# Altium PCB MIRA220CSP.PcbDoc
Units mm, origin at the board's own origin, x right, y up, seen from the top; angles counter-clockwise.
Board outline 38 x 38 mm, 4 copper layers (Top Layer, Layer 2, Layer 3, Bottom Layer), stack 1.136 mm thick; 53 components, 50 nets, 372 pads, 149 vias.
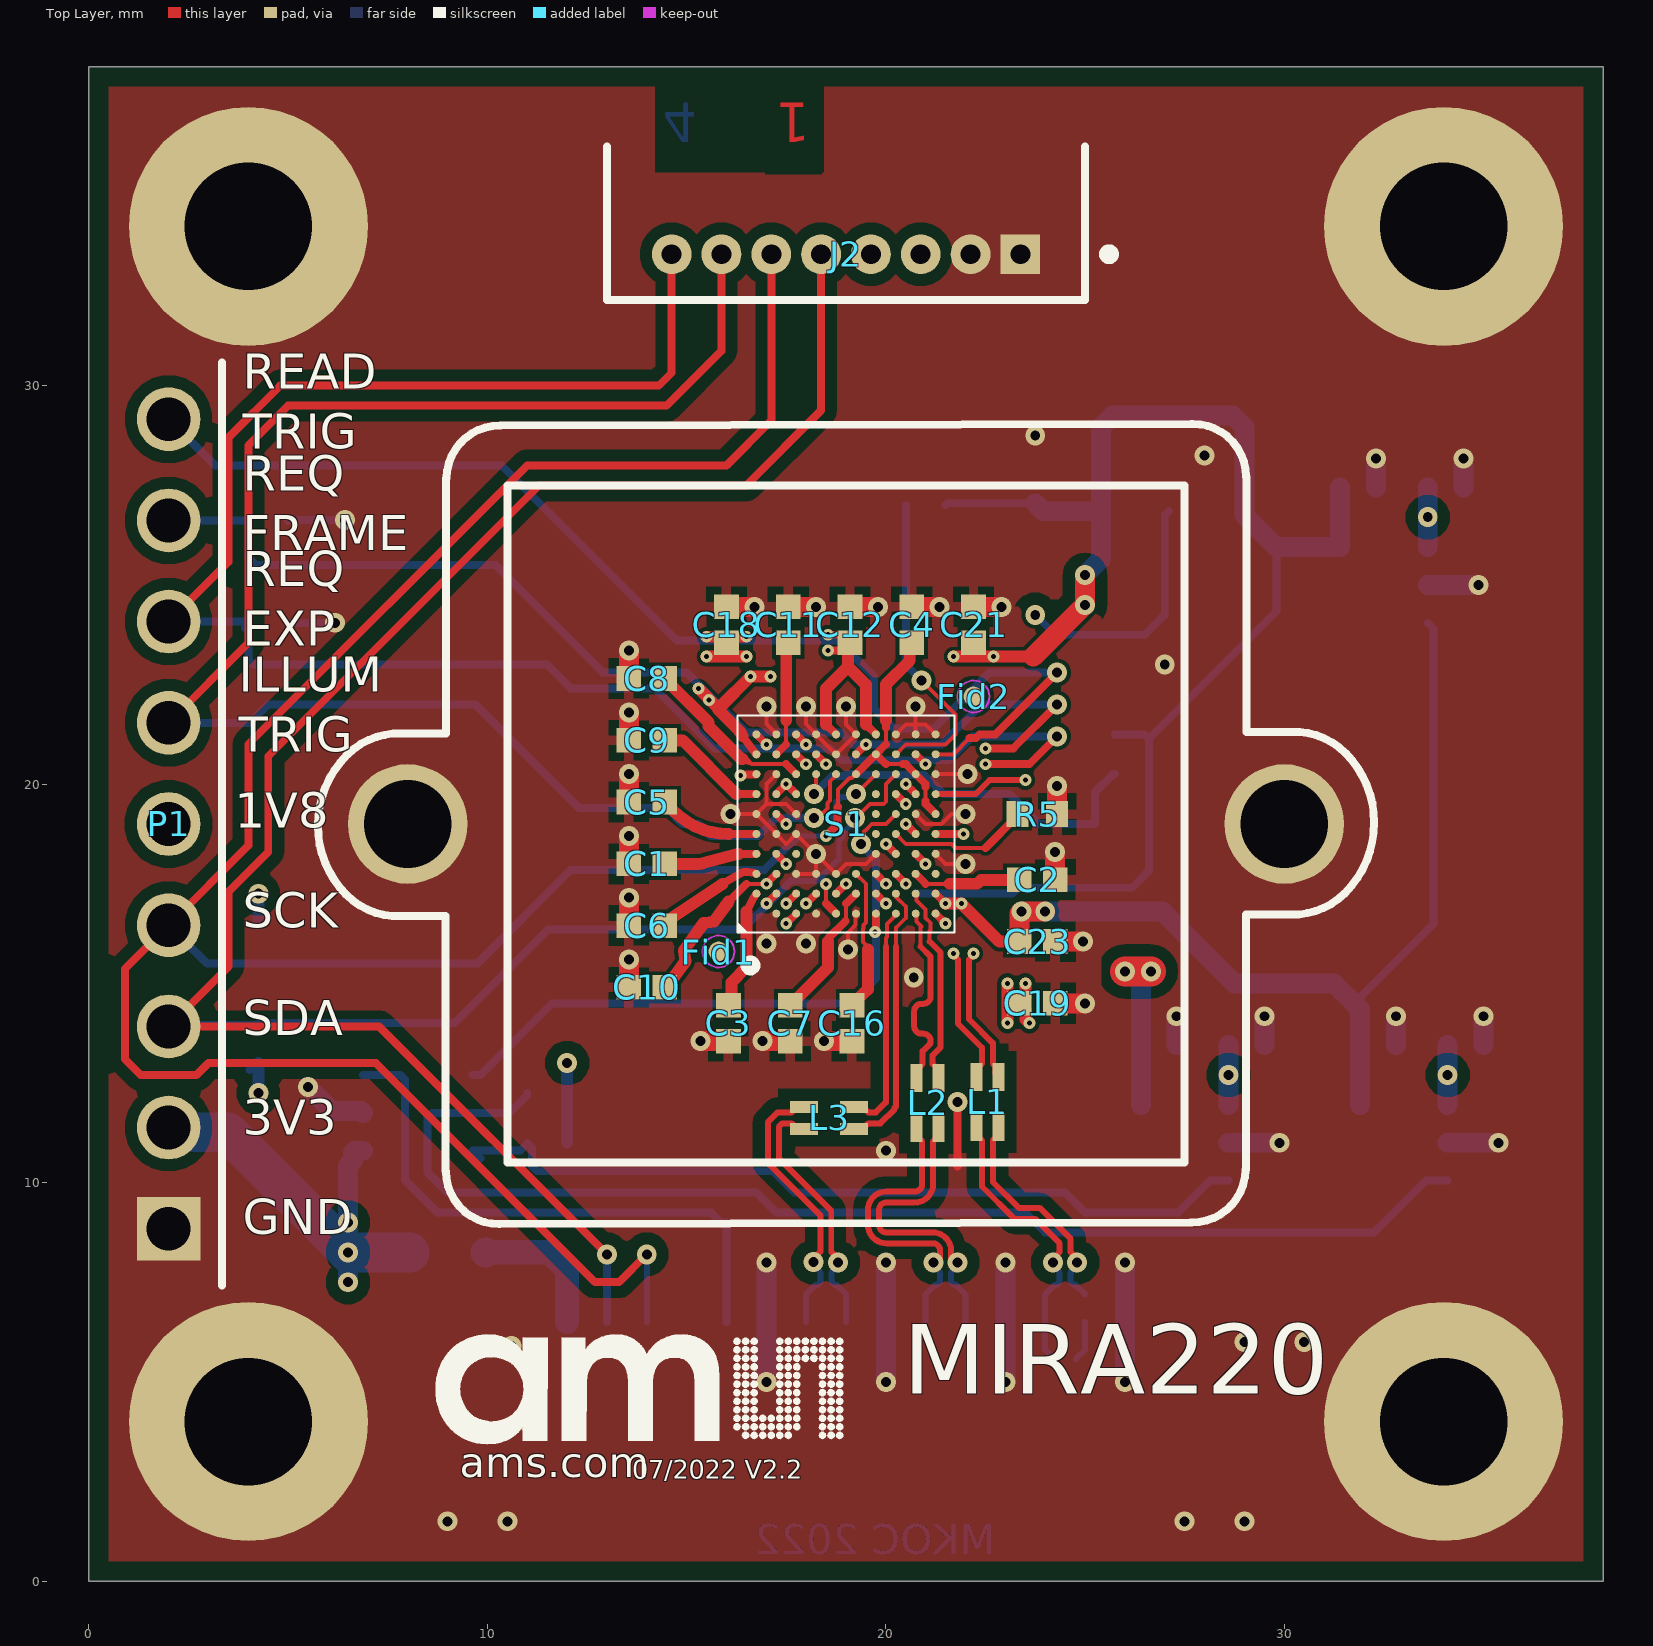
[diagram p0: Top Layer view]
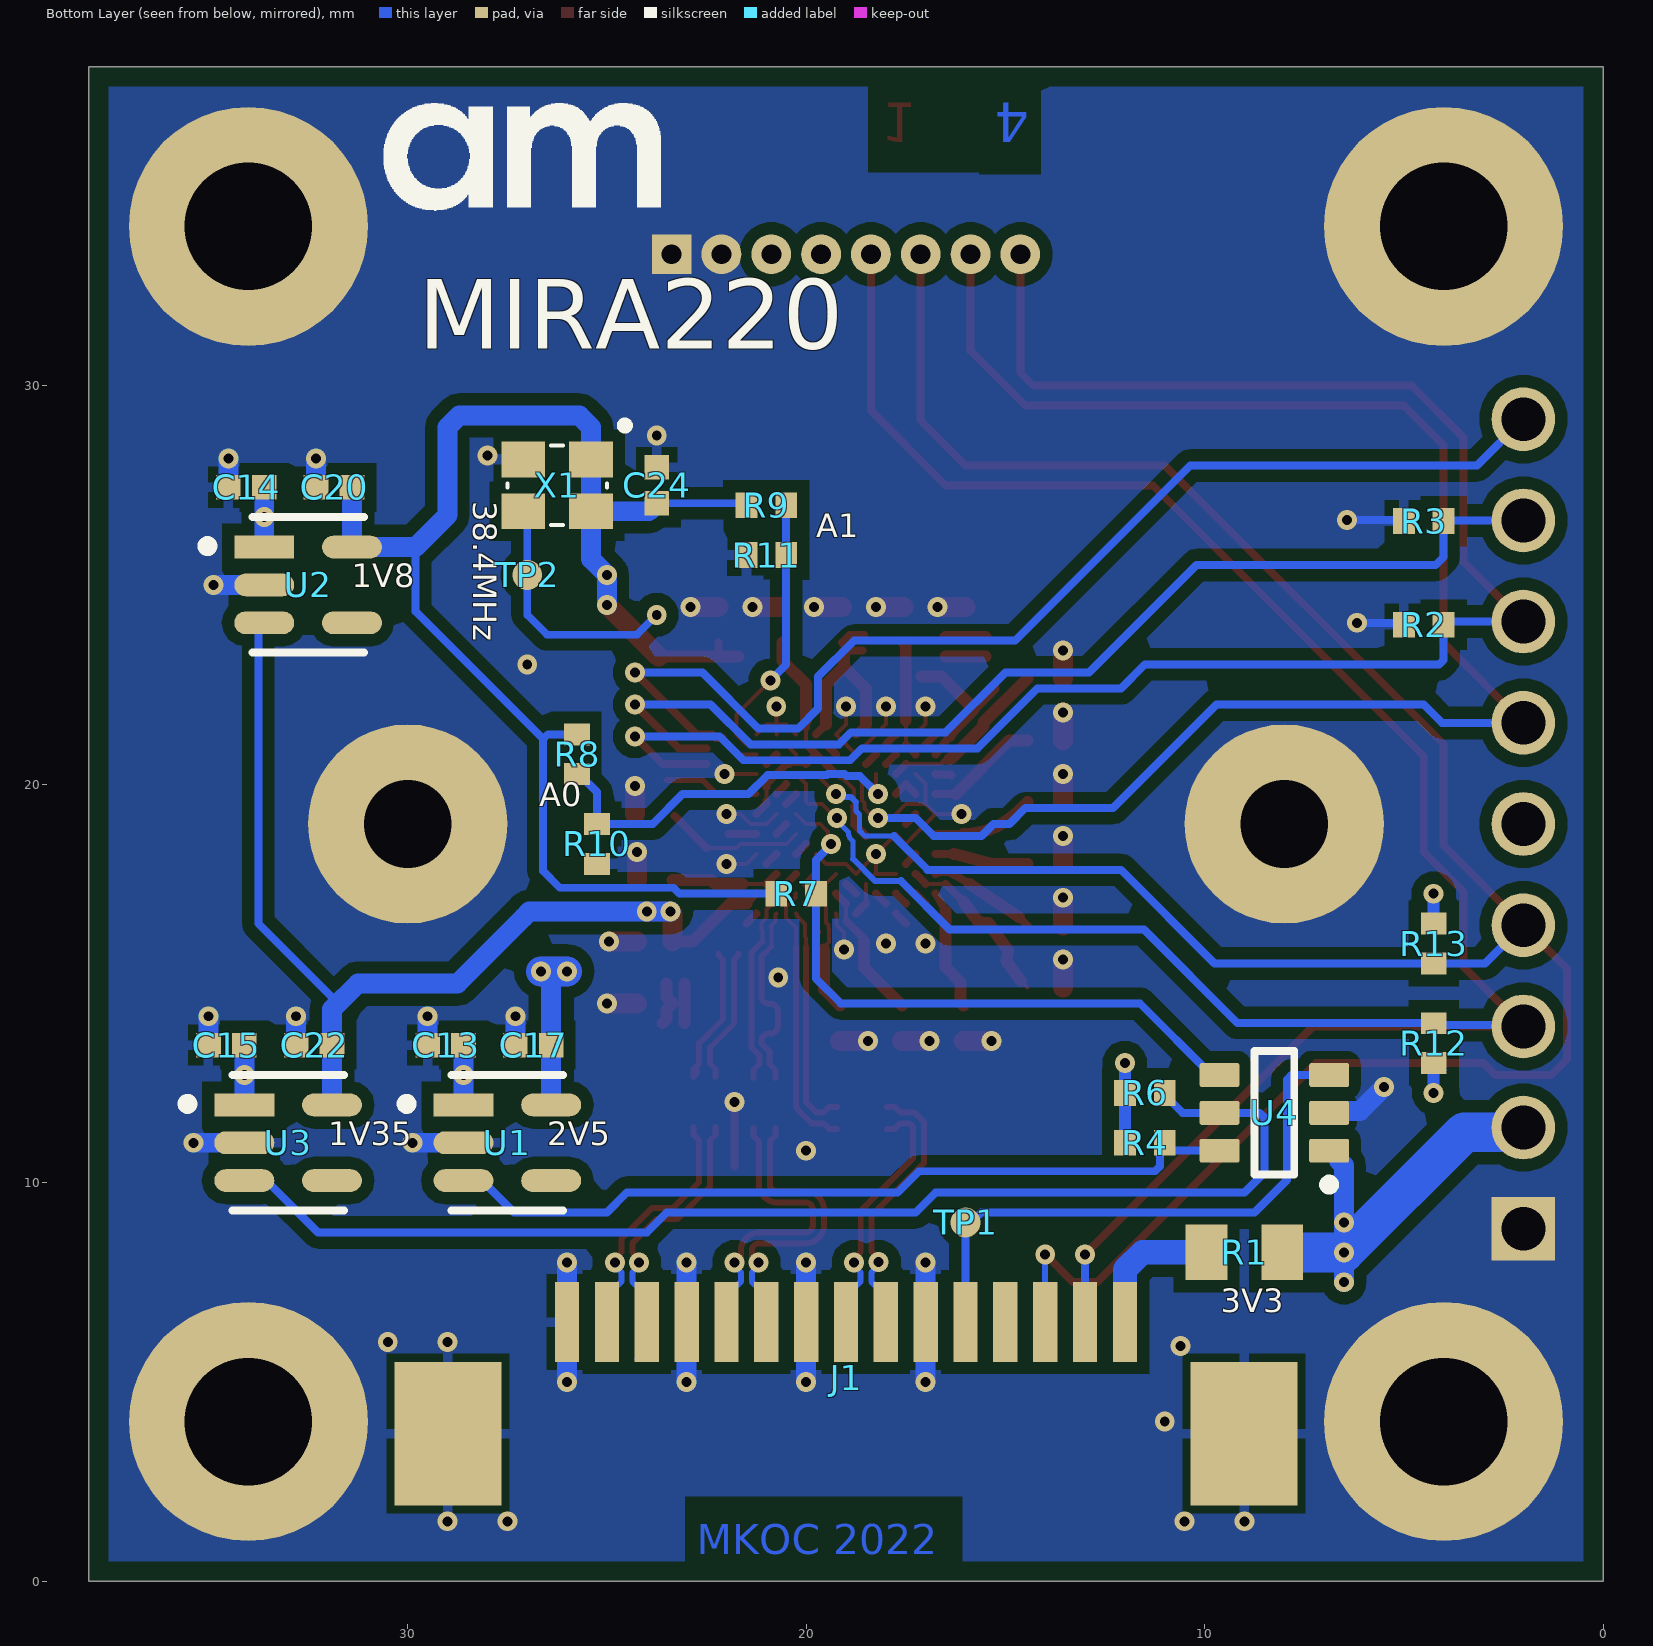
[diagram p1: Bottom Layer view, seen from below]
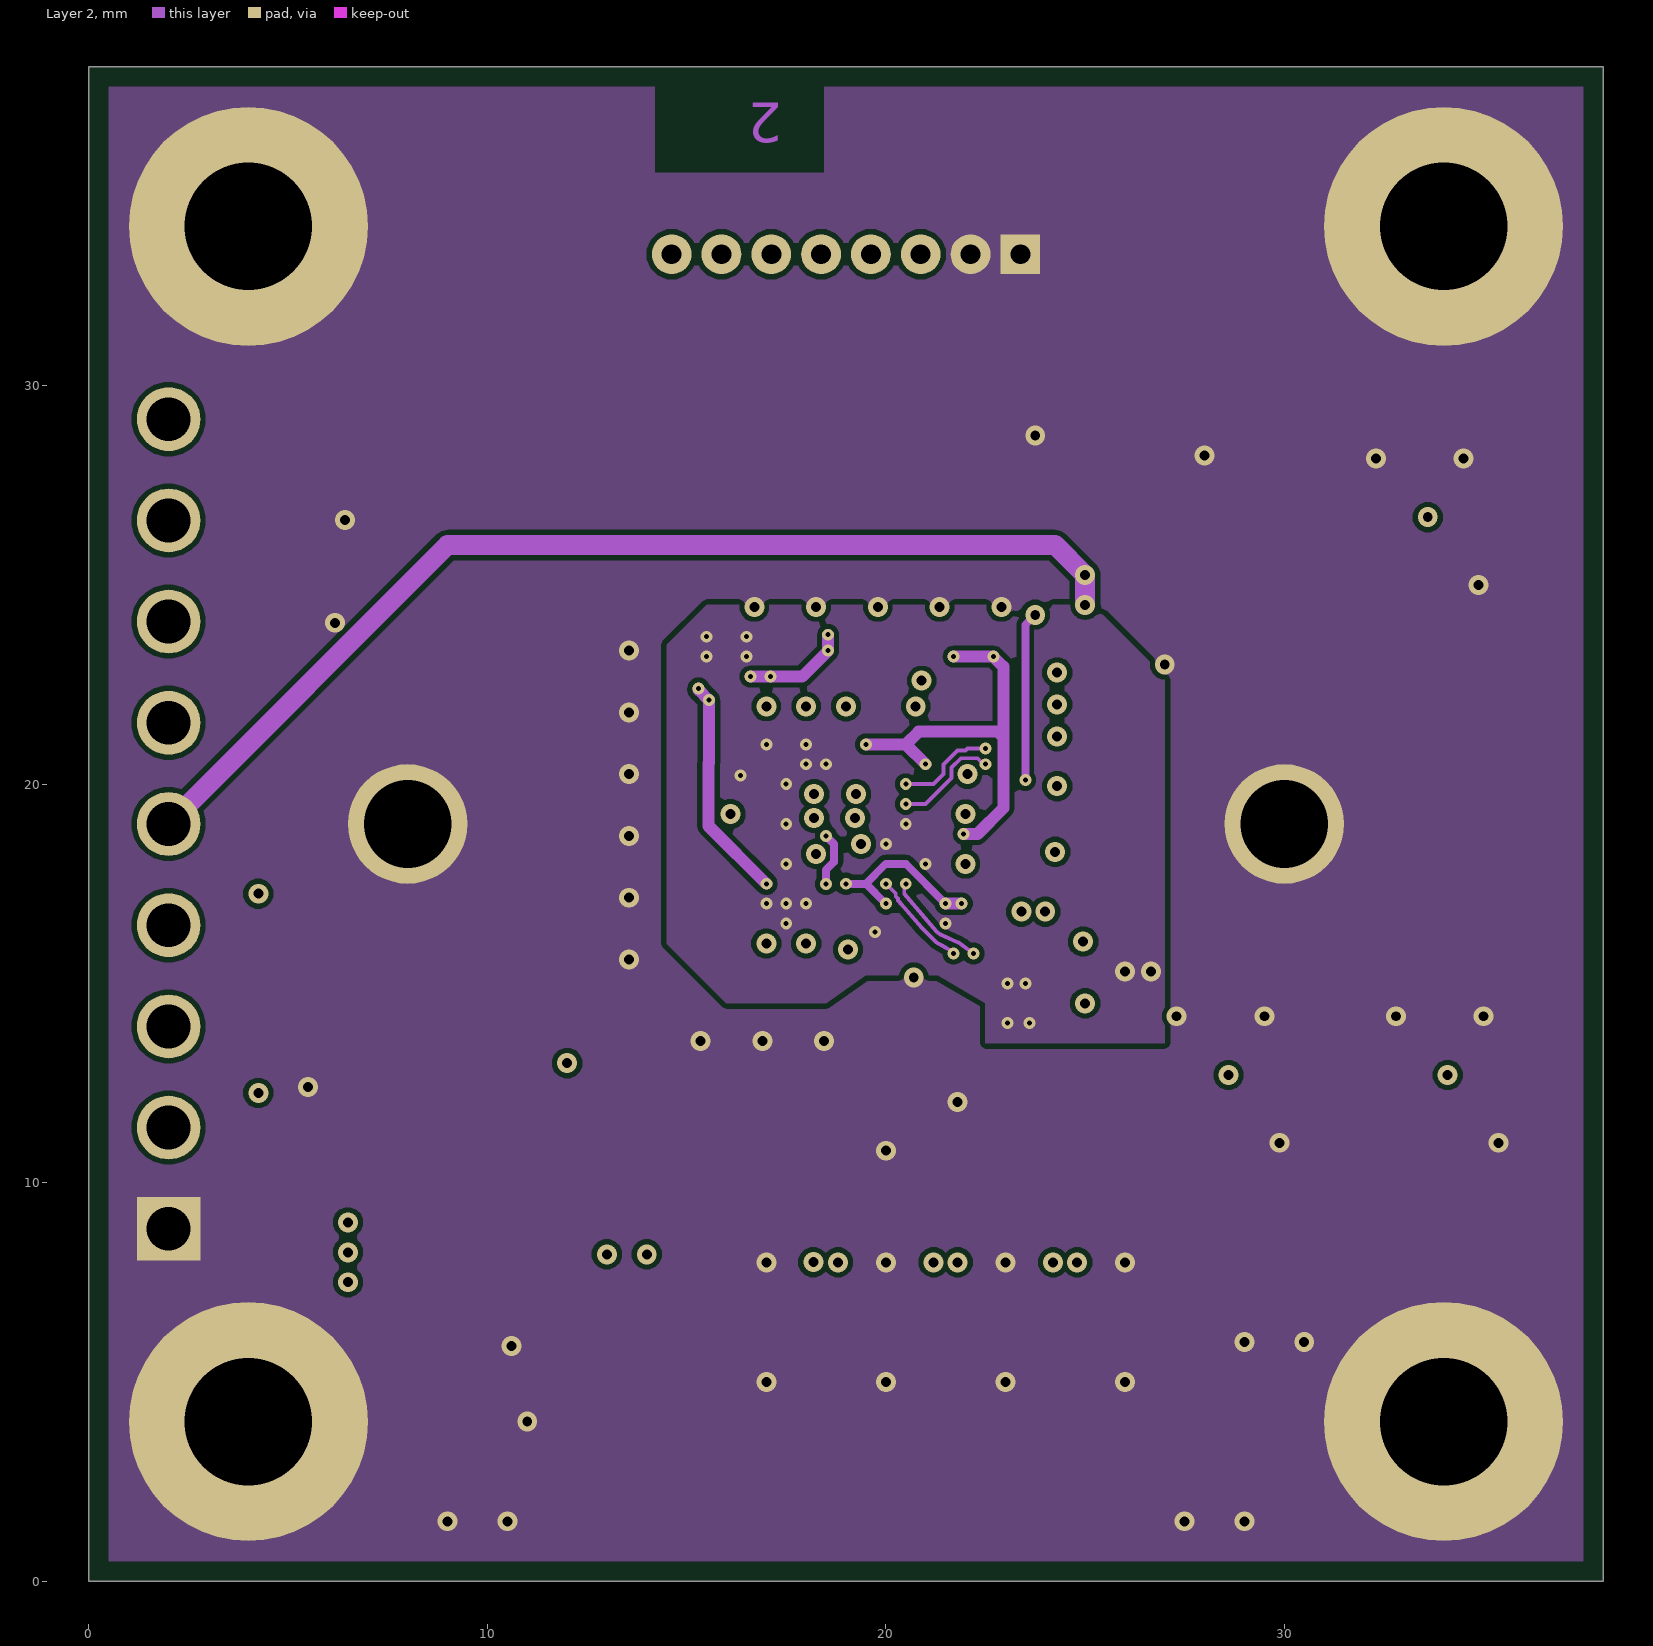
[diagram p2: Layer 2]
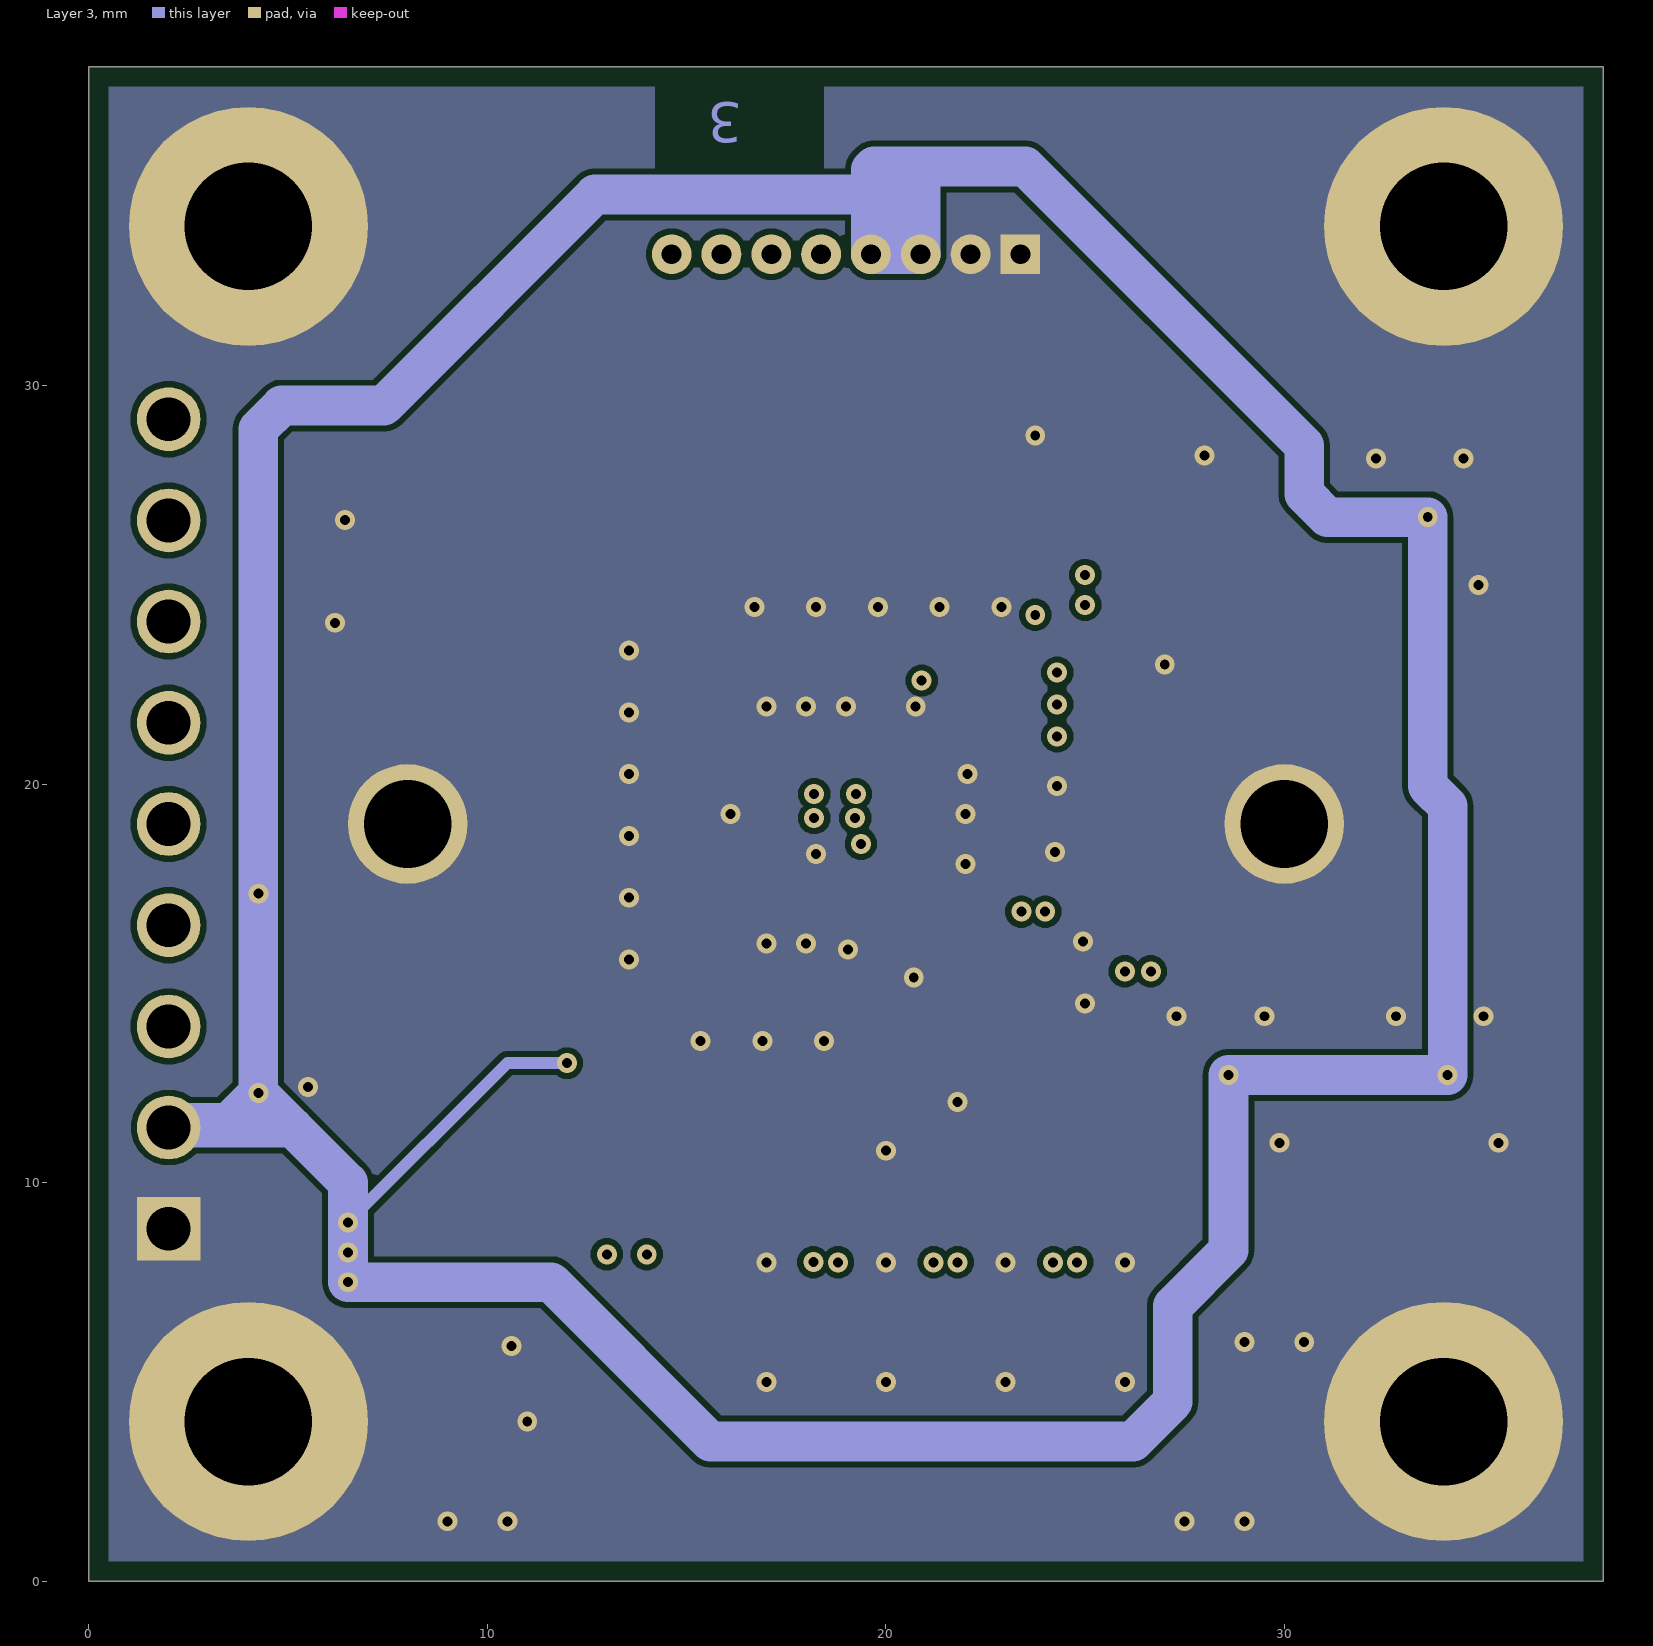
[diagram p3: Layer 3]
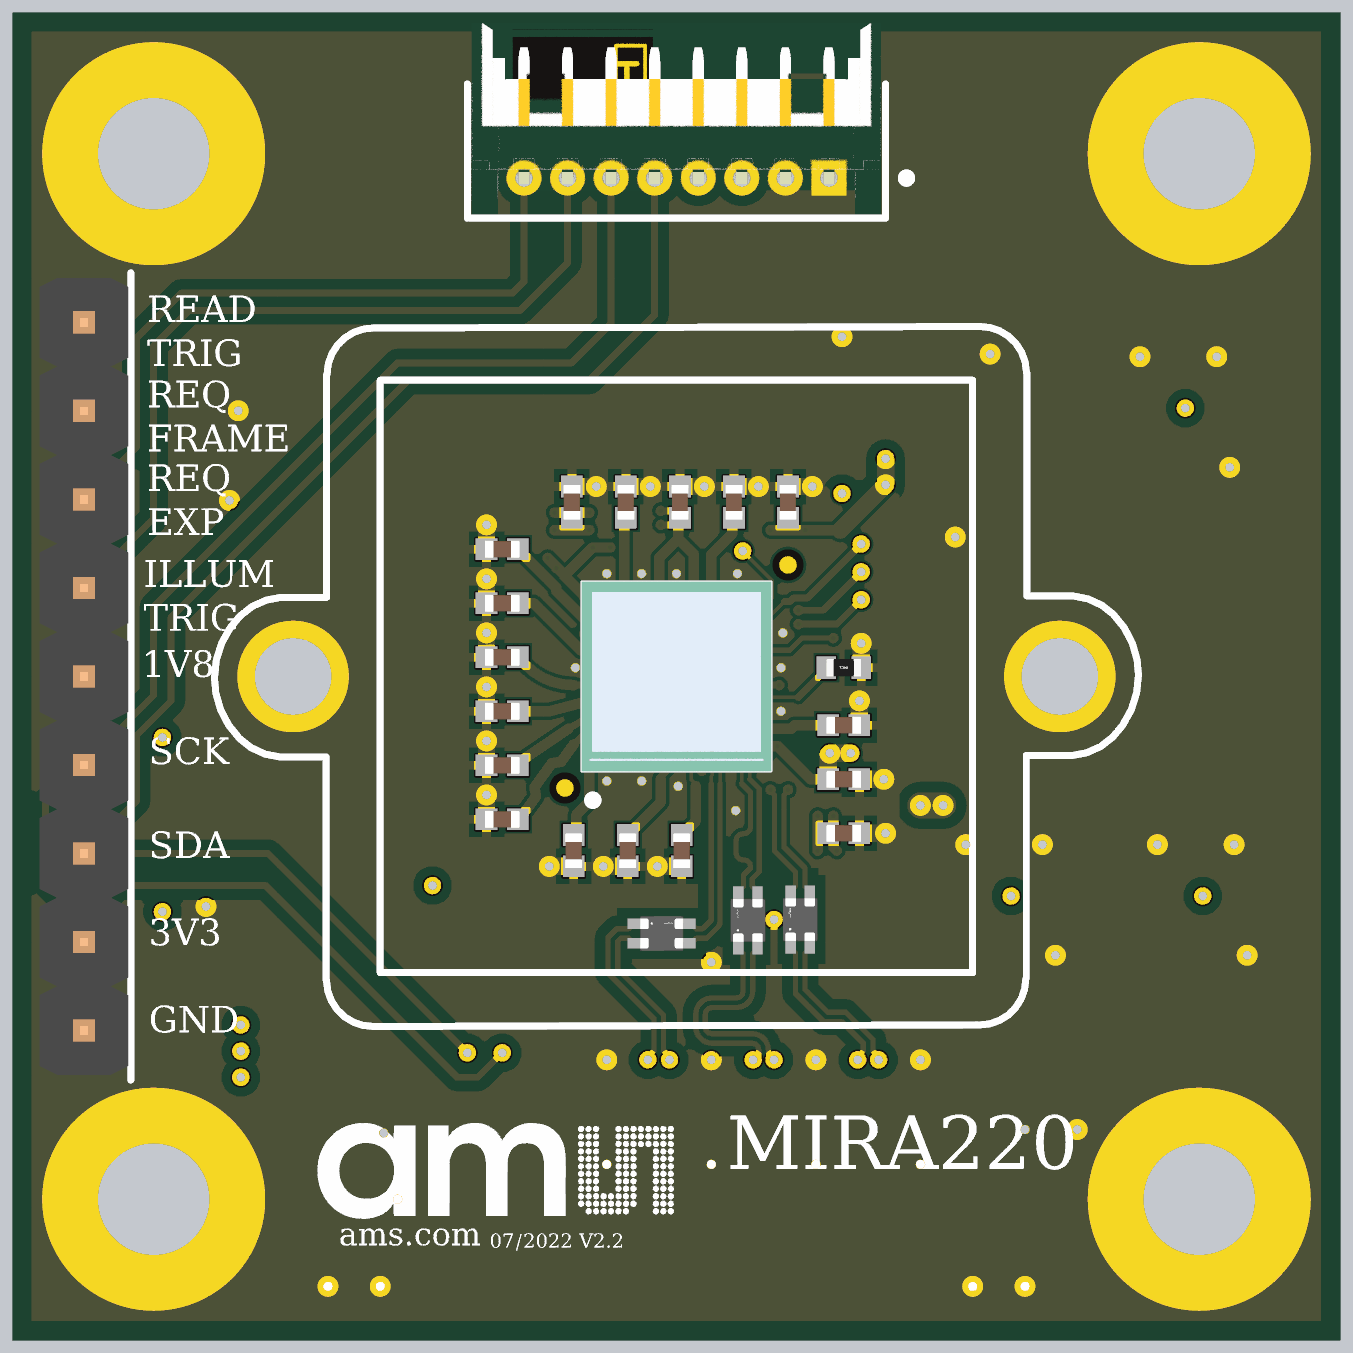
[diagram p4: 3D render of the assembled board from above, using the file's embedded part models]
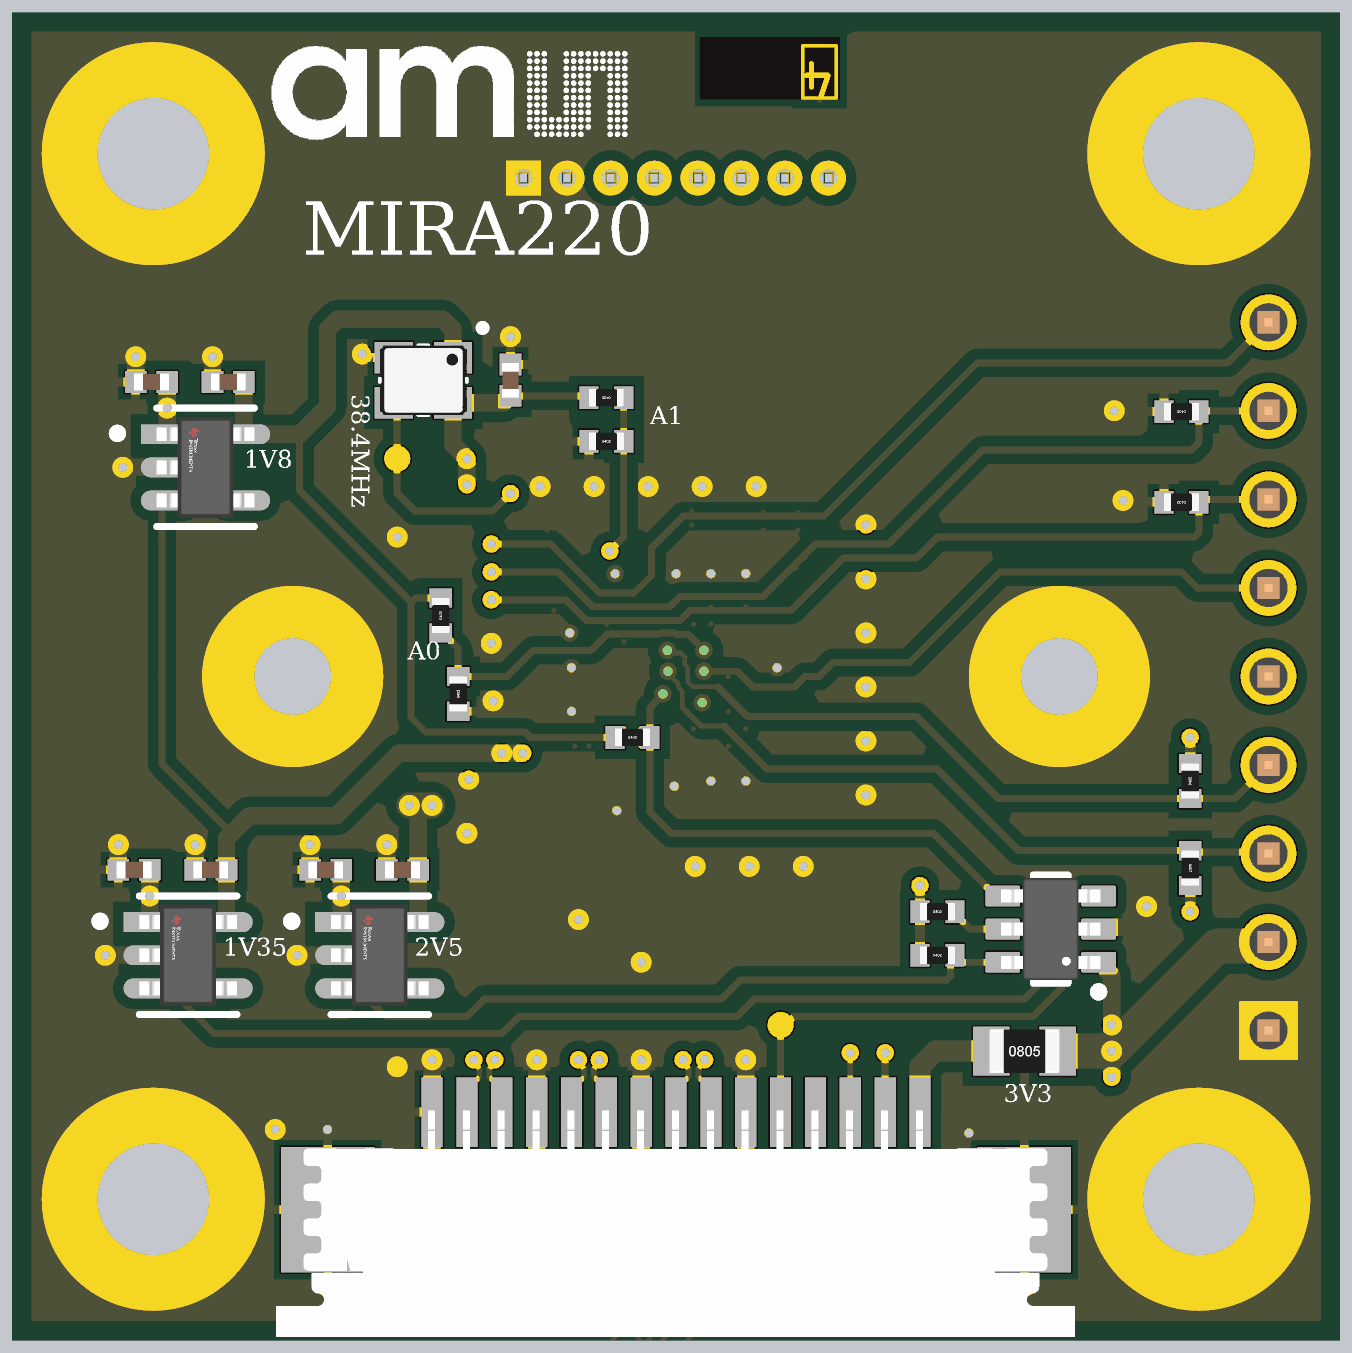
[diagram p5: 3D render of the assembled board from below, using the file's embedded part models]

## Layer stack, top to bottom
Top Solder: solder mask 0.0254, SM-002, Dk 4
Top Layer: signal copper 0.035
Dielectric 4: prepreg 0.0711, PP-006, Dk 4.1
Dielectric 6: prepreg 0.0711, PP-006, Dk 4.1
Layer 2: signal copper 0.035
Dielectric 3: core 0.7112, Core-039, Dk 4.8
Layer 3: signal copper 0.035
Dielectric 7: prepreg 0.0711, PP-006, Dk 4.1
Dielectric 5: prepreg 0.0711, PP-006, Dk 4.1
Bottom Layer: signal copper 0.035
Bottom Solder: solder mask 0.0254, SM-002, Dk 4

## Board outline
0,0 0,38 38,38 38,0

## Design rules (kind name [scope] priority, off if disabled: settings)
BoardOutlineClearance [All] p1: gap=0.5 ignorepadtopadclearanceinfootprint=FALSE
Clearance Clearance_2 [InNamedPolygon('GND_L01_P004') OR InNamedPolygon('GND_L04_P005')] p1: gap=0.3 ignorepadtopadclearanceinfootprint=FALSE
Clearance Clearance_1 [InNamedPolygon('VDD25_L02_P001') OR InNamedPolygon('GND_L02_P003') OR InNamedPolygon('VDD25_L02_P001')] p2: gap=0.125 ignorepadtopadclearanceinfootprint=FALSE
Clearance Clearance_L3 [OnLayer('Layer 3')] p3: gap=0.15 ignorepadtopadclearanceinfootprint=FALSE
Clearance Clearance_L4 [OnLayer('Bottom Layer')] p4: gap=0.125 ignorepadtopadclearanceinfootprint=FALSE
Clearance [All] p5: gap=0.1 ignorepadtopadclearanceinfootprint=FALSE
ComponentClearance [HasFootprint('Fiducial') vs HasFootprint('MIRA220CSP')] p1: gap=0 collisioncheckmode=3 verticalgap=0.254 showdistances=FALSE
ComponentClearance ComponentClearance_1 [All] p2: gap=0.2 collisioncheckmode=3 verticalgap=0.254 showdistances=FALSE
DiffPairsRouting [InDifferentialPairClass('All Differential Pairs')] p1: maxlimit=0.25 minlimit=0.1 mostfreqgap=0.125 toplayer_minwidth=0.1 toplayer_maxwidth=0.15 toplayer_prefwidth=0.15 midlayer1_minwidth=0.1 midlayer1_maxwidth=0.15 midlayer1_prefwidth=0.15 midlayer4_minwidth=0.1 midlayer4_maxwidth=0.15 midlayer4_prefwidth=0.15 bottomlayer_minwidth=0.1 bottomlayer_maxwidth=0.15 bottomlayer_prefwidth=0.15 maxuncoupledlength=12.7
HoleSize [All] p1: absolutevalues=TRUE maxlimit=5 minlimit=0.125 maxpercent=80.000 minpercent=20.000
HoleToHoleClearance [All] p1: gap=0.25 allowstackedmicrovias=TRUE
MatchedLengths MatchLengths_xSignals_S1_J [InxSignalClass('xSignals_S1_J_MatchLengthsClass')] p1: tolerance=1.5 checknetsindiffpair=FALSE checkdiffpairvsdiffpair=TRUE checkxsignals=TRUE checkothers=TRUE
MinimumSolderMaskSliver [All] p1: minsoldermaskwidth=0.1
PolygonConnect PolygonConnect_2 [HasPad('Free-M')] p1: connectstyle=Direct reliefconductorwidth=0.254 reliefentries=4 polygonreliefangle="90 Angle" airgapwidth=0.254
PolygonConnect PolygonConnect_1 [HasFootprint('MIRA220CSP') vs IsNamedPolygon('GND_L01_P000')] p2: connectstyle=Direct reliefconductorwidth=0.254 reliefentries=4 polygonreliefangle="90 Angle" airgapwidth=0.254
PolygonConnect [All] p3: thpad.connectstyle=Relief thpad.reliefconductorwidth=0.25 thpad.reliefentries=4 thpad.polygonreliefangle="90 Angle" thpad.airgapwidth=0.2 smdpad.connectstyle=Relief smdpad.reliefconductorwidth=0.25 smdpad.reliefentries=4 smdpad.polygonreliefangle="90 Angle" smdpad.airgapwidth=0.2 via.connectstyle=Direct via.reliefconductorwidth=0.25 via.reliefentries=4 via.polygonreliefangle="90 Angle" via.airgapwidth=0.2
RoutingVias RoutingVias_Thru [InDrillLayerPair('Top Layer - Bottom Layer')] p1: holewidth=0.25 width=0.5 viastyle="Through Hole" minholewidth=0.25 minwidth=0.5 maxholewidth=0.25 maxwidth=0.5 viatemplateguid#1={A4AAD259-9D37-4852-BC5C-AE0D3D967D4F} viatemplatename#1=v50h25(Tol5-5)
RoutingVias RoutingVias_1_2 [InDrillLayerPair('[uVia] Top Layer - Layer 2')] p2: holewidth=0.125 width=0.3 viastyle="Through Hole" minholewidth=0.125 minwidth=0.3 maxholewidth=0.125 maxwidth=0.3 viatemplateguid#1={281BB74C-A7E5-4F2D-9CFF-9B3BEC78FF14} viatemplatename#1=v30h12
SilkToSilkClearance [All] p1: silktosilkclearance=0.15
SilkToSolderMaskClearance [IsPad] p1: minsilkscreentomaskgap=0.1 clearancetoexposedcopper=TRUE
SolderMaskExpansion SolderMaskExpansion_TentuV [IsMicroVia] p1: expansion=0 istentingtop=TRUE
SolderMaskExpansion SolderMaskExpansion_Via [IsVia] p2: expansion=-0.05 istentingtop=FALSE
SolderMaskExpansion SolderMaskExpansion_1 [All] p3: expansion=0.05 istentingtop=FALSE
UnRoutedNet [All] p1: checkbadconnections=TRUE
Width [All] p1: maxlimit=1 minlimit=0.1 preferedwidth=0.15
22 further rules are at their usual default settings.

## Classes and differential pairs
differential pair CON_MIPI_D1: +CON_MIPI_D1_P -CON_MIPI_D1_N
differential pair CON_MIPI_D0: +CON_MIPI_D0_P -CON_MIPI_D0_N
differential pair CON_MIPI_CLK: +CON_MIPI_CLK_P -CON_MIPI_CLK_N
differential pair MIPI_D1: +MIPI_D1_P -MIPI_D1_N
differential pair MIPI_D0: +MIPI_D0_P -MIPI_D0_N
differential pair MIPI_CLK: +MIPI_CLK_P -MIPI_CLK_N

## Components (designator, comment, footprint, x,y, rotation, side; value= is the part's Value field where it differs from the comment)
C1 "4.7uF, 6.3V" CAPC0402_N 14,18 r0 top value=4.7u
C2 "4.7uF, 6.3V" CAPC0402_N 23.8,17.6 r0 top value=4.7u
C3 "4.7uF, 6.3V" CAPC0402_N 16.05,14 r90 top value=4.7u
C4 "4.7uF, 6.3V" CAPC0402_N 20.65,24 r90 top value=4.7u
C5 "4.7uF, 6.3V" CAPC0402_N 14,19.55 r0 top value=4.7u
C6 "4.7uF, 6.3V" CAPC0402_N 14,16.45 r0 top value=4.7u
C7 "4.7uF, 6.3V" CAPC0402_N 17.6,14 r270 top value=4.7u
C8 "4.7uF, 6.3V" CAPC0402_N 14,22.65 r0 top value=4.7u
C9 "4.7uF, 6.3V" CAPC0402_N 14,21.1 r180 top value=4.7u
C10 "4.7uF, 6.3V" CAPC0402_N 14,14.9 r0 top value=4.7u
C11 "4.7uF, 6.3V" CAPC0402_N 17.55,24 r90 top value=4.7u
C12 "4.7uF, 6.3V" CAPC0402_N 19.1,24 r270 top value=GRM155R60J475ME47D
C13 "4.7uF, 6.3V" CAPC0402_N 29.05,13.45 r180 bottom value=4.7u
C14 "4.7uF, 6.3V" CAPC0402_N 34.05,27.45 r180 bottom value=4.7u
C15 "4.7uF, 6.3V" CAPC0402_N 34.55,13.45 r180 bottom value=4.7u
C16 "1uF" CAPC0402_N 19.15,14 r90 top value=1.0u
C17 "4.7uF, 6.3V" CAPC0402_N 26.85,13.45 r180 bottom value=4.7u
C18 "4.7uF, 6.3V" CAPC0402_N 16,24 r270 top value=4.7u
C19 "4.7uF, 6.3V" CAPC0402_N 23.8,14.5 r180 top value=4.7u
C20 "4.7uF, 6.3V" CAPC0402_N 31.85,27.45 r180 bottom value=4.7u
C21 "4.7uF, 6.3V" CAPC0402_N 22.2,24 r270 top value=4.7u
C22 "4.7uF, 6.3V" CAPC0402_N 32.35,13.45 r180 bottom value=4.7u
C23 "4.7uF, 6.3V" CAPC0402_N 23.8,16.05 r180 top value=4.7u
C24 "4.7uF, 6.3V" CAPC0402_N 23.75,27.5 r270 bottom value=4.7u
Fid1 "Fiducial" FIDUCIAL 15.8,15.8 r90 top
Fid2 "Fiducial" FIDUCIAL 22.2,22.2 r90 top
J1 "1-84952-5" TE_1-84952-5 19,6.5 r180 bottom locked
J2 "53048-0810" FP-53048-0810-MFG 19,35 r180 top locked
L1 "DLP11SN900HL2L" FP-DLP11S-MFG 22.55,12.025 r90 top
L2 "DLP11SN900HL2L" FP-DLP11S-MFG 21.05,12 r90 top
L3 "DLP11SN900HL2L" FP-DLP11S-MFG 18.575,11.625 r0 top
P1 "61300911121" 61300911121 2,19 r90 top
R1 "0R" RESC0805_N 9,8.25 r180 bottom
R2 "12K" RESC0402_N 4.5,24 r0 bottom
R3 "12K" RESC0402_N 4.5,26.6 r0 bottom
R4 "12K" RESC0402_N 11.5,11 r180 bottom
R5 "12K ±0.1% 63mW" RESC0402_N 23.8,19.25 r180 top value=12K
R6 "12K" RESC0402_N 11.5,12.25 r180 bottom
R7 "12K" RESC0402_N 20.25,17.25 r180 bottom
R8 "NO BOM" RESC0402_N 25.75,20.75 r90 bottom value=12K
R9 "NO BOM" RESC0402_N 21,27 r0 bottom value=12K
R10 "12K" RESC0402_N 25.25,18.5 r90 bottom
R11 "12K" RESC0402_N 21,25.75 r180 bottom
R12 "NO BOM" RESC0402_N 4.25,13.5 r270 bottom value=12K
R13 "NO BOM" RESC0402_N 4.25,16 r90 bottom value=12K
S1 "MIRA CSP" MIRA220CSP 19,19 r90 top locked
TP1 "TestPoint" TP_075mm 16,9 r90 bottom
TP2 "TestPoint" TP_075mm 27,25.25 r90 bottom
U1 "TCR3DF25LM" FP-DBV0005A-IPC_B 27.5,11 r180 bottom
U2 "TCR2EF18LM" FP-DBV0005A-IPC_B 32.5,25 r180 bottom
U3 "TCR2EF135LM" FP-DBV0005A-IPC_B 33,11 r180 bottom
U4 "LM3880MF-1AA/NOPB" DBV0006A_N 8.25,11.75 r0 bottom
X1 "Oscillator 38.4MHz CMOS 1V8" 2.5X2_OSC 26.25,27.5 r0 bottom value=38.4MHz
